# Altium PCB Enigma Rev B.PcbDoc (part 1 of 8) (continued)
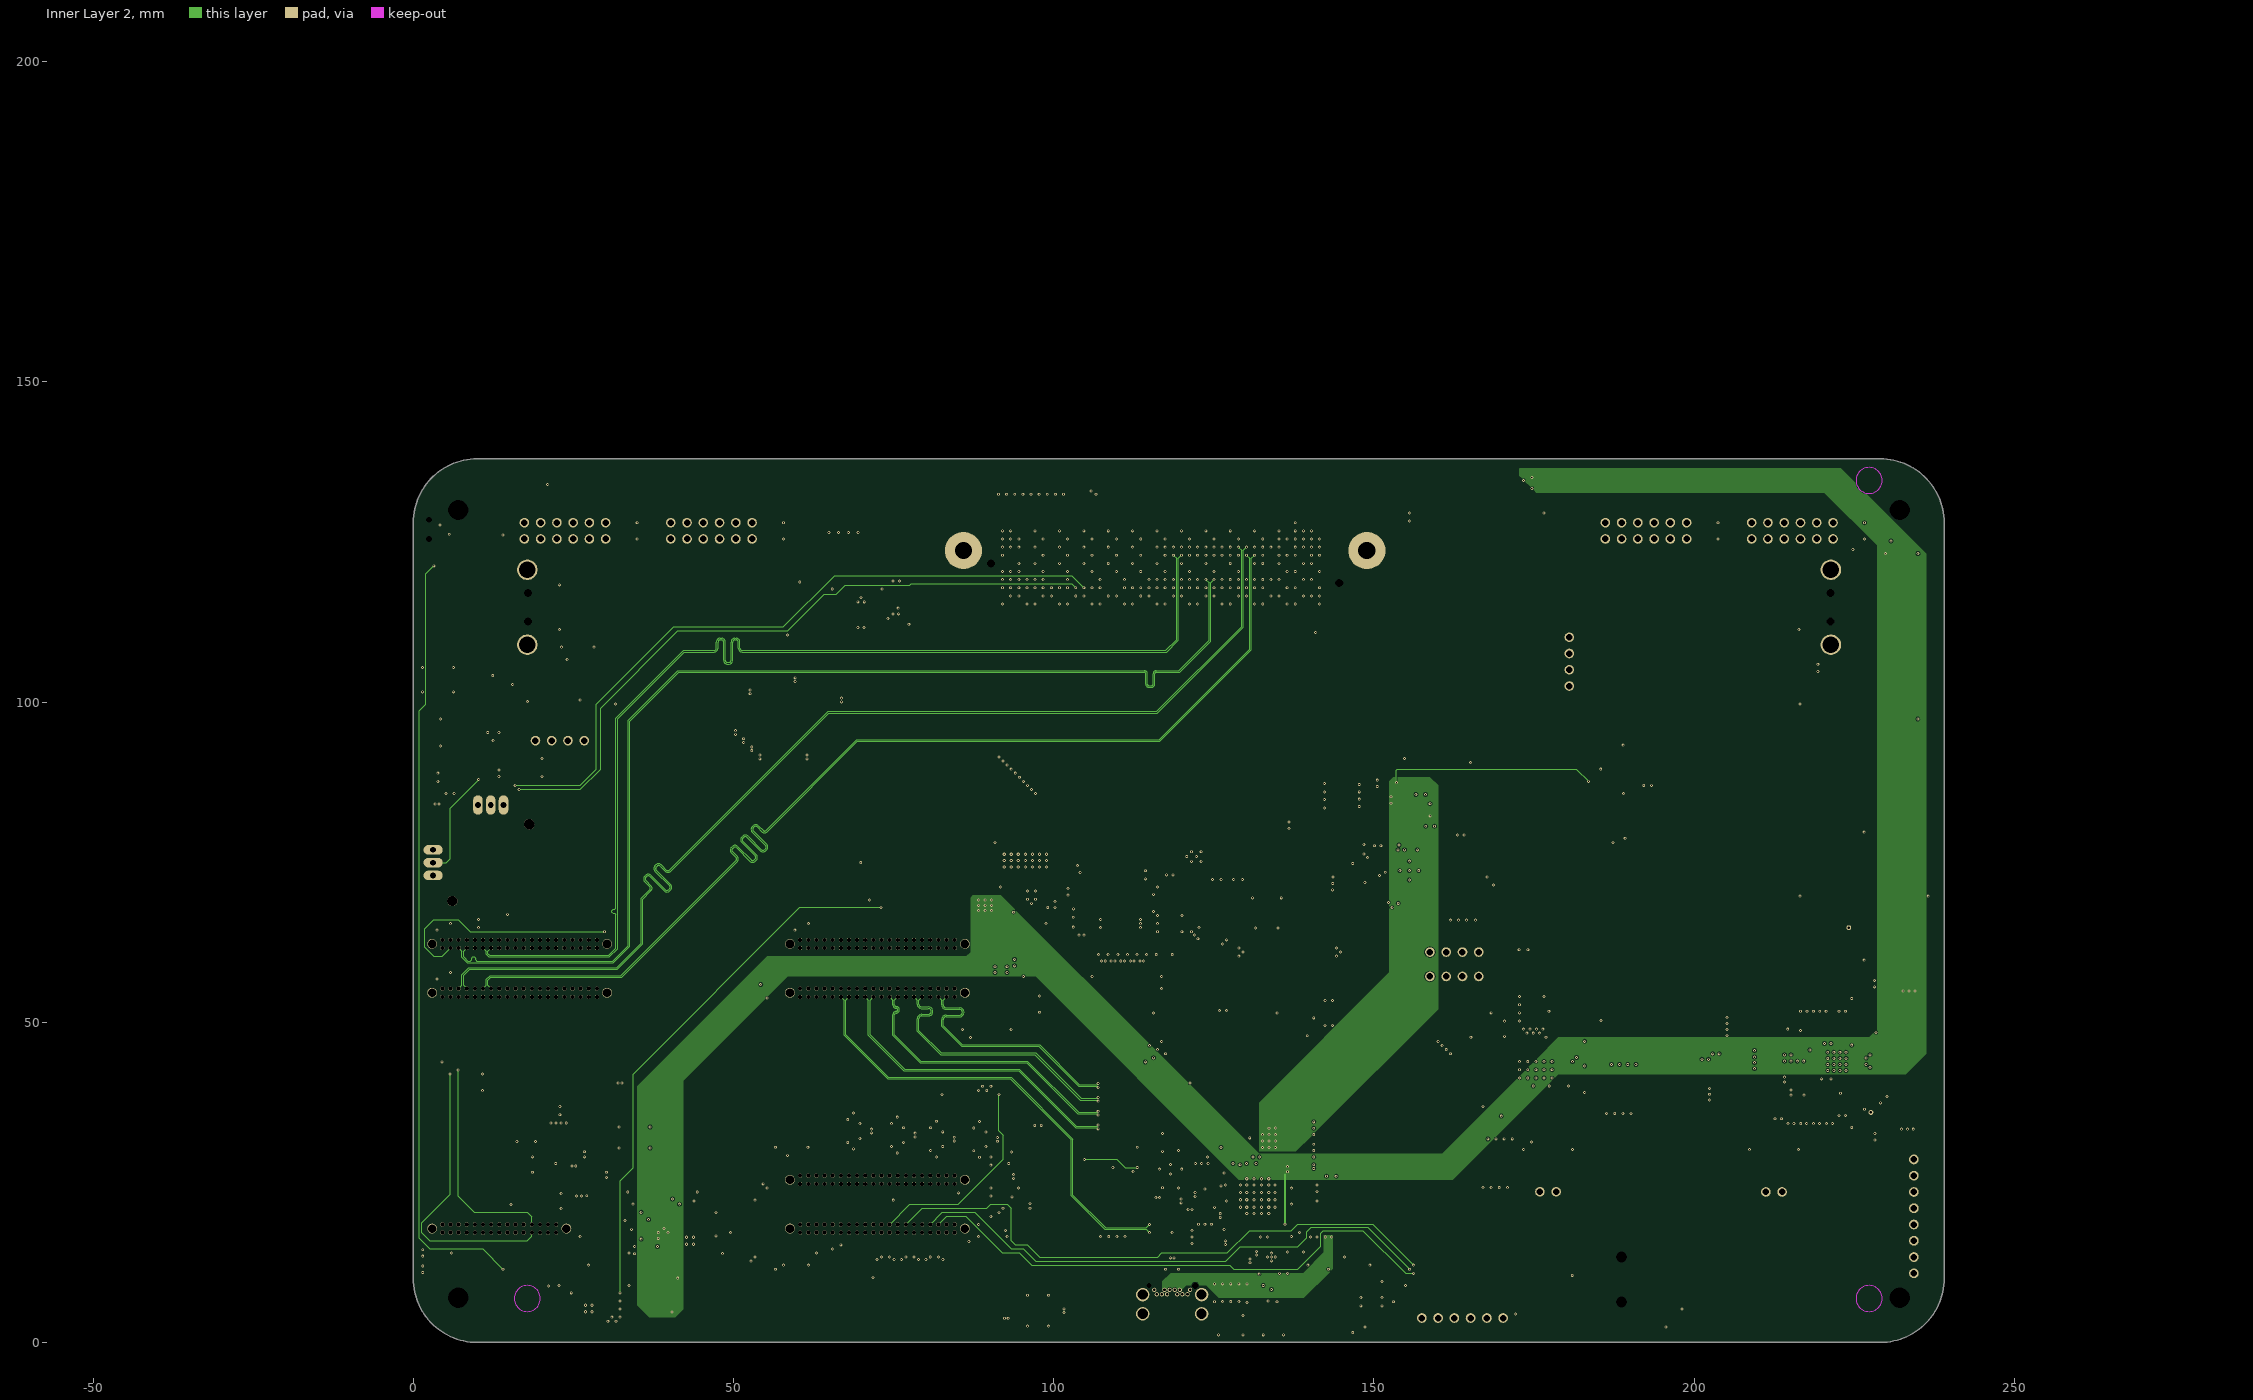
[diagram p4: Inner Layer 2]
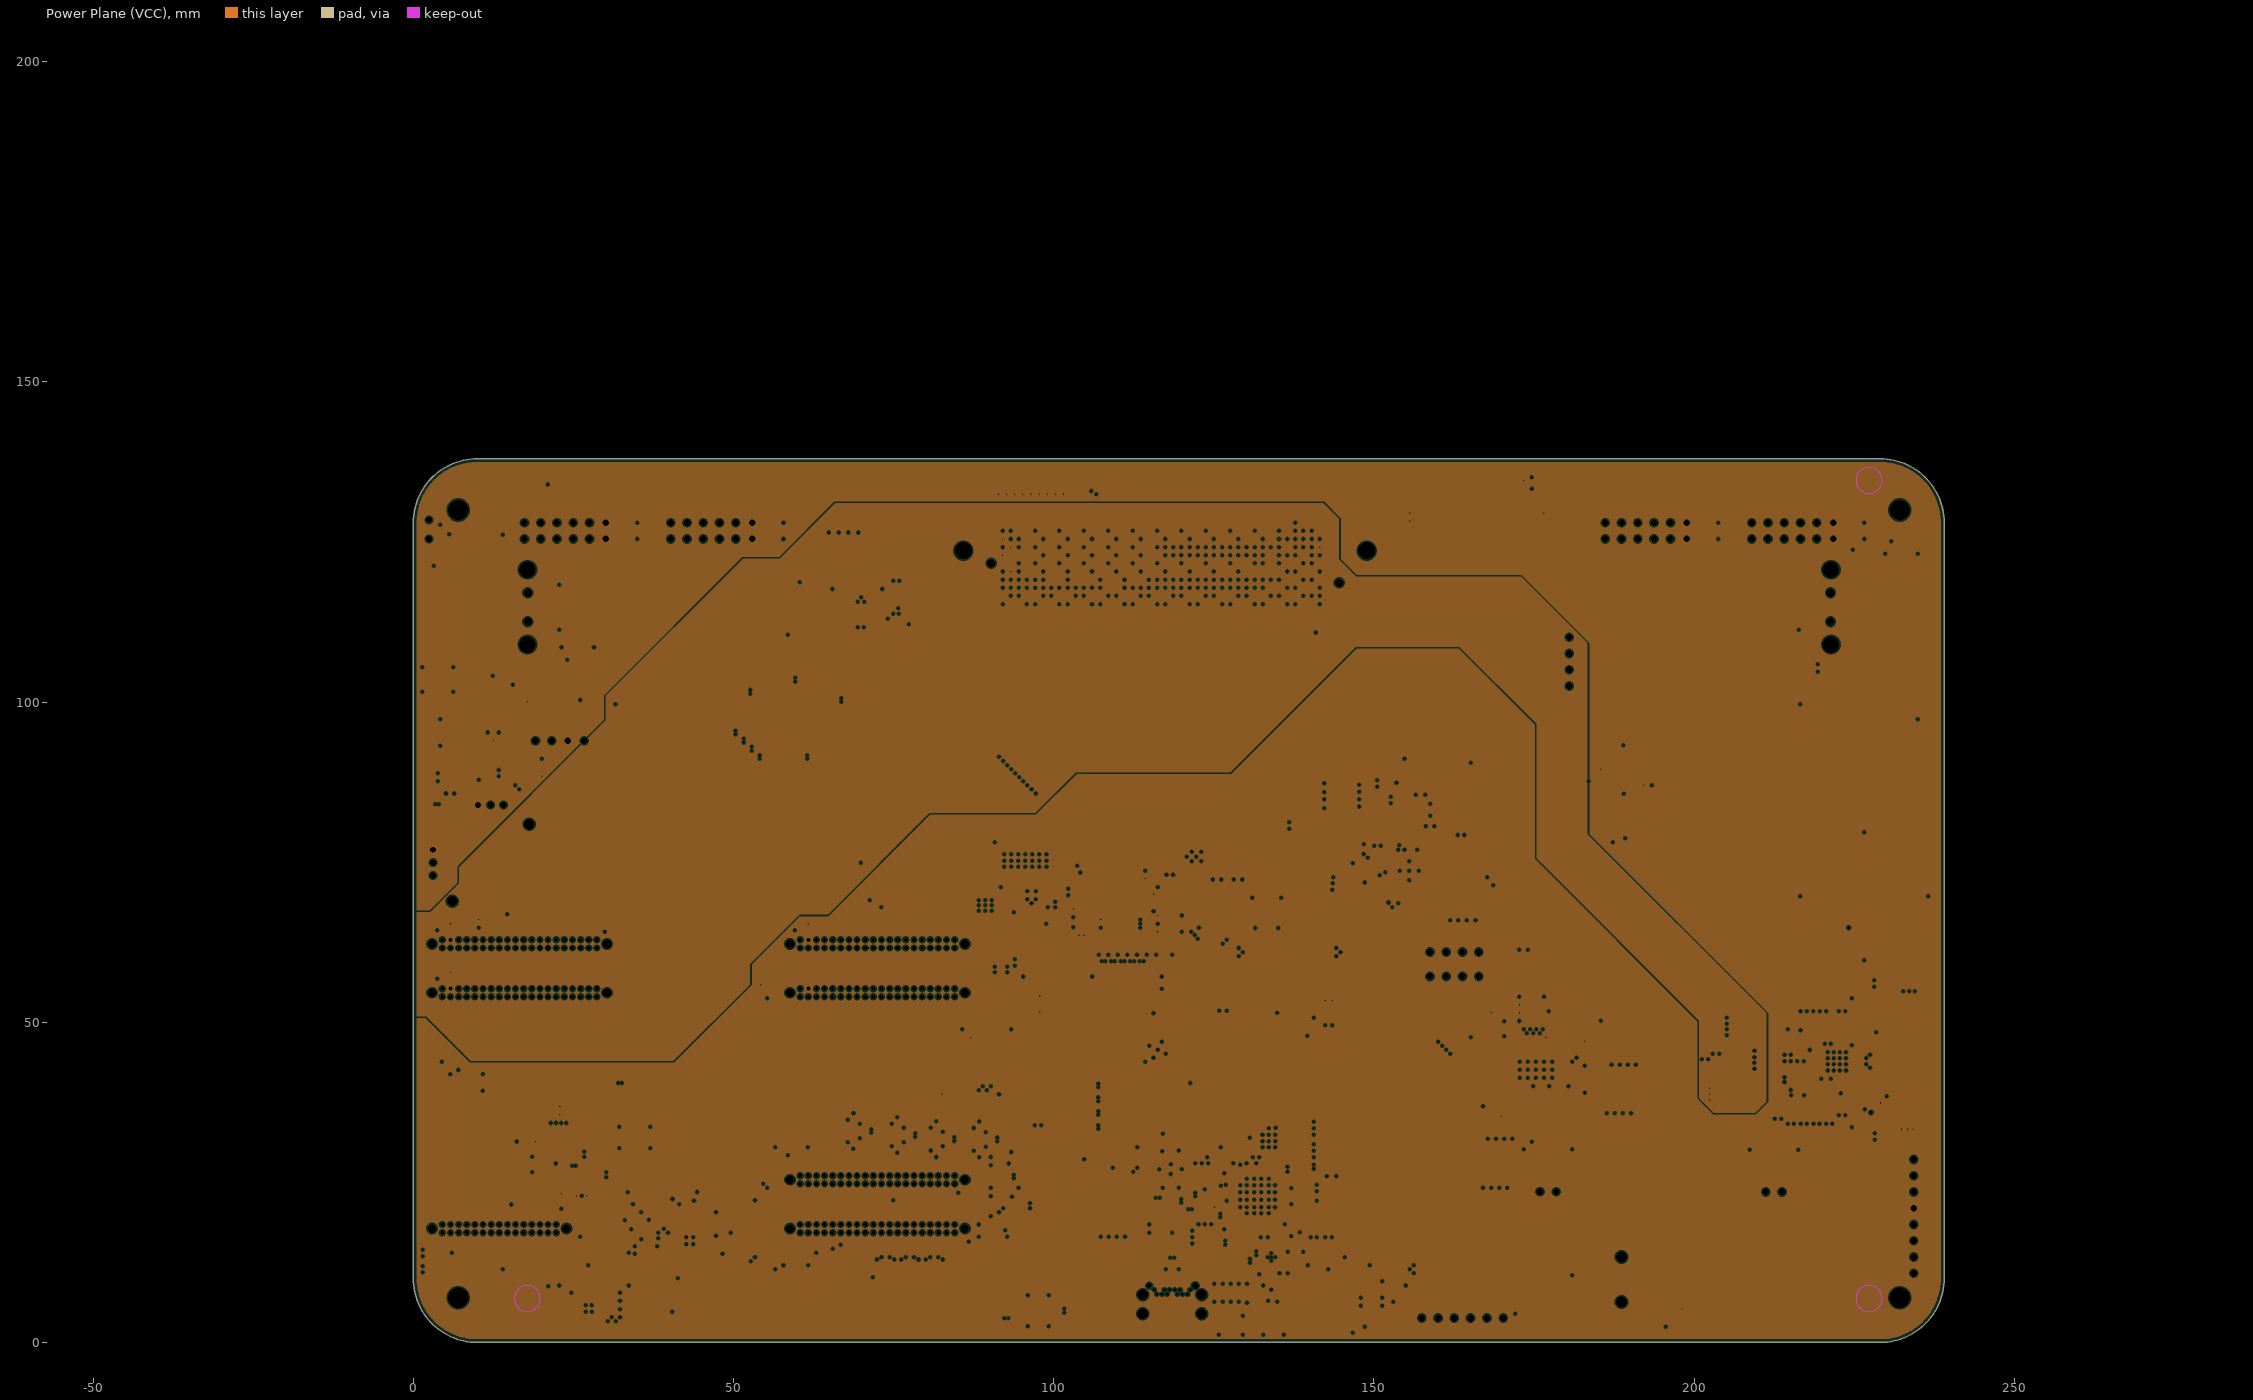
[diagram p5: Power Plane (VCC), clearances drawn from the general rule]
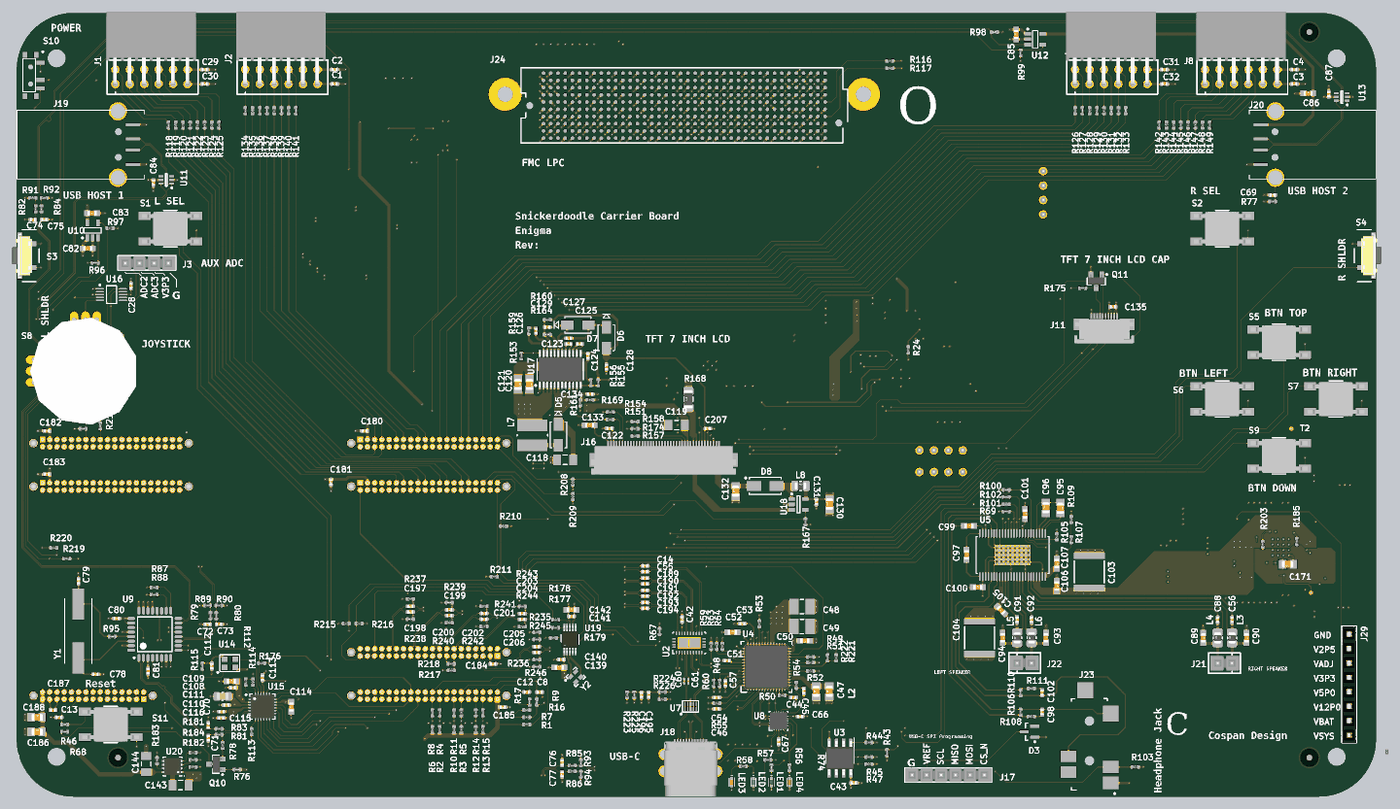
[diagram p13: 3D render of the assembled board from above, using the file's embedded part models]
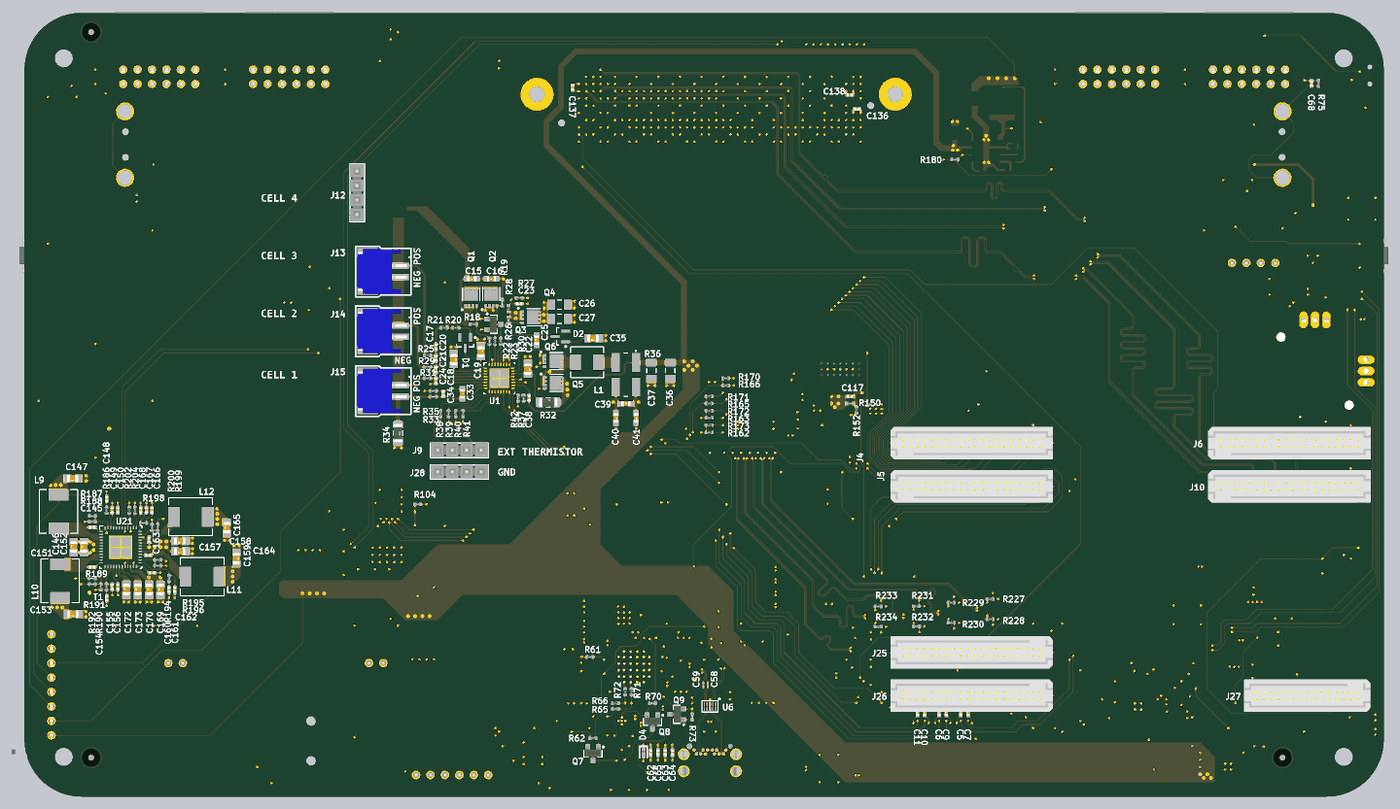
[diagram p14: 3D render of the assembled board from below, using the file's embedded part models]

## Layer stack, top to bottom
Top Solder: solder mask 0.0102, Solder Resist, Dk 3.5
Component Side: signal copper 0.0356
Dielectric 1: core 0.32, FR-4, Dk 4.8
Ground Plane (GND): plane copper 0.036, net GND
Dielectric 3: prepreg 0.127, Dk 4.2
Inner Layer 1: signal copper 0.036
Dielectric 6: core 0.254, Dk 4.2
Inner Layer 2: signal copper 0.036
Dielectric 5: prepreg 0.127, Dk 4.2
Power Plane (VCC): plane copper 0.036, net (Multiple Nets)
Dielectric 4: core 0.254, Dk 4.2
Solder Side: signal copper 0.0356
Bottom Solder: solder mask 0.0102, Solder Resist, Dk 3.5

## Board outline
-0.033,10 -0.033,128 cw(c9.967,128) 9.967,138 229.05,138 cw(c229.05,128) 239.05,128 239.05,10 cw(c229.05,10) 229.05,0 9.967,0 cw(c9.967,10)

## Design rules (kind name [scope] priority, off if disabled: settings)
Clearance Clearance_diff [IsDifferentialPair] p1: gap=0.508 ignorepadtopadclearanceinfootprint=TRUE except(0: Arc-Text Arc-Hole Track-Text Track-Hole SMDPad-Text SMDPad-Hole THPad-Text THPad-Hole Via-Text Via-Hole Fill-Text Fill-Hole Poly-Text Poly-Hole Region-Text Region-Hole Text-Text Text-Hole)
Clearance [All] p2: gap=0.127 ignorepadtopadclearanceinfootprint=TRUE except(0: Arc-Hole Track-Hole SMDPad-Hole THPad-Hole Via-Hole Fill-Hole Poly-Hole Region-Hole Text-Hole)
DiffPairsRouting [All] p1: maxlimit=0.254 minlimit=0.127 mostfreqgap=0.127 toplayer_minwidth=0.127 toplayer_maxwidth=0.381 toplayer_prefwidth=0.127 midlayer1_minwidth=0.127 midlayer1_maxwidth=0.381 midlayer1_prefwidth=0.127 midlayer2_minwidth=0.127 midlayer2_maxwidth=0.381 midlayer2_prefwidth=0.127 bottomlayer_minwidth=0.127 bottomlayer_maxwidth=0.381 bottomlayer_prefwidth=0.127 maxuncoupledlength=12.7
HoleSize [All] p1: absolutevalues=TRUE maxlimit=3.81 minlimit=0.025 maxpercent=80.000 minpercent=20.000
MinimumSolderMaskSliver [All] p1: minsoldermaskwidth=0.048
PlaneClearance [All] p1: clearance=0.254
PlaneConnect [All] p1: planeconnectstyle=Direct reliefexpansion=0.508 reliefentries=4 reliefconductorwidth=0.254 reliefairgap=0.254
PolygonConnect PolygonConnect_10 [All vs IsNamedPolygon('V12P0_L03_P022')] p1: connectstyle=Direct reliefconductorwidth=0.254 reliefentries=4 polygonreliefangle="90 Angle" airgapwidth=0.254
PolygonConnect PolygonConnect_9 [All vs IsNamedPolygon('V3P3_L03_P020')] p2: connectstyle=Direct reliefconductorwidth=0.254 reliefentries=4 polygonreliefangle="90 Angle" airgapwidth=0.254
PolygonConnect PolygonConnect_8 [All vs IsNamedPolygon('USB_3V3_L03_P012')] p3: connectstyle=Direct reliefconductorwidth=0.254 reliefentries=4 polygonreliefangle="90 Angle" airgapwidth=0.254
PolygonConnect PolygonConnect_7 [All vs IsNamedPolygon('V2P5_L03_P018')] p4: connectstyle=Direct reliefconductorwidth=0.254 reliefentries=4 polygonreliefangle="90 Angle" airgapwidth=0.254
PolygonConnect PolygonConnect_6 [All vs IsNamedPolygon('V5P0_L04_P016')] p5: connectstyle=Direct reliefconductorwidth=0.254 reliefentries=4 polygonreliefangle="90 Angle" airgapwidth=0.254
PolygonConnect PolygonConnect_5 [All vs IsNamedPolygon('VSYS_L01_P010')] p6: connectstyle=Direct reliefconductorwidth=0.254 reliefentries=4 polygonreliefangle="90 Angle" airgapwidth=0.254
PolygonConnect PolygonConnect_4 [All vs IsNamedPolygon('VSYS_L06_P006')] p7: connectstyle=Direct reliefconductorwidth=0.254 reliefentries=4 polygonreliefangle="90 Angle" airgapwidth=0.254
PolygonConnect PolygonConnect_3 [All vs IsNamedPolygon('VBAT_L04_P004')] p8: connectstyle=Direct reliefconductorwidth=0.254 reliefentries=4 polygonreliefangle="90 Angle" airgapwidth=0.254
PolygonConnect PolygonConnect_2 [All vs IsNamedPolygon('V1P8_L03_P002')] p9: connectstyle=Direct reliefconductorwidth=0.254 reliefentries=4 polygonreliefangle="90 Angle" airgapwidth=0.254
PolygonConnect PolygonConnect_1 [All vs IsNamedPolygon('VBUS_L04_P000')] p10: connectstyle=Direct reliefconductorwidth=0.254 reliefentries=4 polygonreliefangle="90 Angle" airgapwidth=0.254
PolygonConnect [All] p11: connectstyle=Relief reliefconductorwidth=0.254 reliefentries=4 polygonreliefangle="90 Angle" airgapwidth=0.254
RoutingLayers [All] p1: top layer_v5=FALSE mid layer 1_v5=TRUE mid layer 2_v5=TRUE bottom layer_v5=TRUE
RoutingVias [All] p1: holewidth=0.203 width=0.457 viastyle="Through Hole" minholewidth=0.203 minwidth=0.457 maxholewidth=0.711 maxwidth=1.27
SilkToSilkClearance [All] p1: silktosilkclearance=0.025
SilkToSolderMaskClearance [IsPad] p1: minsilkscreentomaskgap=0 clearancetoexposedcopper=TRUE
SolderMaskExpansion [All] p1: expansion=0.102
Width [All] p1: maxlimit=1.27 minlimit=0.127 preferedwidth=0.127 minimp=50.000000 maximp=50.000000 favimp=50.000000
22 further rules are at their usual default settings.

## Classes and differential pairs
differential pair class FMC_DIFF_PAIRS: CLK0_M2C CLK1_M2C CLK2_BIDIR LA00_CC LA01_CC LA02 LA03 LA04 LA05 LA06 LA07 LA08 LA09 LA10 LA11 LA12 LA13 LA14 LA15 LA16 LA17_CC LA18_CC
differential pair LCD_TX3: +LCD_TX3_P -LCD_TX3_N
differential pair LCD_TX2: +LCD_TX2_P -LCD_TX2_N
differential pair LCD_TX1: +LCD_TX1_P -LCD_TX1_N
differential pair LCD_TX0: +LCD_TX0_P -LCD_TX0_N
differential pair LCD_CLK: +LCD_CLK_P -LCD_CLK_N
differential pair C_USB_B: +C_USB_B_P -C_USB_B_N
differential pair C_USB_T: +C_USB_T_P -C_USB_T_N
differential pair CLK0_M2C: +CLK0_M2C_P -CLK0_M2C_N
differential pair CLK1_M2C: +CLK1_M2C_P -CLK1_M2C_N
differential pair CLK2_BIDIR: +CLK2_BIDIR_P -CLK2_BIDIR_N
differential pair CLK3_BIDIR: +CLK3_BIDIR_P -CLK3_BIDIR_N
differential pair DP1_TX0: +DP1_TX0_P -DP1_TX0_N
differential pair DP1_TX1: +DP1_TX1_P -DP1_TX1_N
differential pair DP1_TX2: +DP1_TX2_P -DP1_TX2_N
differential pair DP1_TX3: +DP1_TX3_P -DP1_TX3_N
differential pair GBTCLK0_M2C: +GBTCLK0_M2C_P -GBTCLK0_M2C_N
differential pair GBTCLK1_M2C: +GBTCLK1_M2C_P -GBTCLK1_M2C_N
differential pair HS1_RX: +HS1_RX_P -HS1_RX_N
differential pair HS1_TX: +HS1_TX_P -HS1_TX_N
differential pair HS1_USB_TX: +HS1_USB_TX_P -HS1_USB_TX_N
differential pair HS2_RX: +HS2_RX_P -HS2_RX_N
differential pair HS2_TX: +HS2_TX_P -HS2_TX_N
differential pair HS2_USB_TX: +HS2_USB_TX_P -HS2_USB_TX_N
differential pair LA00_CC: +LA00_CC_P -LA00_CC_N
differential pair LA01_CC: +LA01_CC_P -LA01_CC_N
differential pair LA02: +LA02_P -LA02_N
differential pair LA03: +LA03_P -LA03_N
differential pair LA04: +LA04_P -LA04_N
differential pair LA05: +LA05_P -LA05_N
differential pair LA06: +LA06_P -LA06_N
differential pair LA07: +LA07_P -LA07_N
differential pair LA08: +LA08_P -LA08_N
differential pair LA09: +LA09_P -LA09_N
differential pair LA10: +LA10_P -LA10_N
differential pair LA11: +LA11_P -LA11_N
differential pair LA12: +LA12_P -LA12_N
differential pair LA13: +LA13_P -LA13_N
differential pair LA14: +LA14_P -LA14_N
differential pair LA15: +LA15_P -LA15_N
differential pair LA16: +LA16_P -LA16_N
differential pair LA17_CC: +LA17_CC_P -LA17_CC_N
differential pair LA18_CC: +LA18_CC_P -LA18_CC_N
differential pair LA19: +LA19_P -LA19_N
differential pair LA20: +LA20_P -LA20_N
differential pair LA21: +LA21_P -LA21_N
differential pair LA22: +LA22_P -LA22_N
differential pair LA23: +LA23_P -LA23_N
differential pair LA24: +LA24_P -LA24_N
differential pair LA25: +LA25_P -LA25_N
differential pair LA26: +LA26_P -LA26_N
differential pair LA27: +LA27_P -LA27_N
differential pair LA28: +LA28_P -LA28_N
differential pair LA29: +LA29_P -LA29_N
differential pair LA30: +LA30_P -LA30_N
differential pair LA31: +LA31_P -LA31_N
differential pair LA32: +LA32_P -LA32_N
differential pair LA33: +LA33_P -LA33_N
differential pair SBU: +SBU_P -SBU_N
differential pair USB_2P0: +USB_2P0_P -USB_2P0_N
differential pair LCD_X_CLK: +LCD_X_CLK_P -LCD_X_CLK_N
differential pair LCD_X_TX1: +LCD_X_TX1_P -LCD_X_TX1_N
differential pair LCD_X_TX2: +LCD_X_TX2_P -LCD_X_TX2_N
differential pair LCD_X_TX3: +LCD_X_TX3_P -LCD_X_TX3_N
differential pair X_DP1_TX0: +X_DP1_TX0_P -X_DP1_TX0_N
differential pair X_DP1_TX1: +X_DP1_TX1_P -X_DP1_TX1_N
differential pair X_DP1_TX2: +X_DP1_TX2_P -X_DP1_TX2_N
differential pair X_DP1_TX3: +X_DP1_TX3_P -X_DP1_TX3_N
differential pair AUX: +AUX_P -AUX_N
differential pair LCD_X_TX0: +LCD_X_TX0_P -LCD_X_TX0_N
differential pair USB_EXT_S1: +USB_EXT_S1_P -USB_EXT_S1_N
differential pair USB_EXT_S2: +USB_EXT_S2_P -USB_EXT_S2_N
differential pair USB_HOST: +USB_HOST_P -USB_HOST_N
differential pair USB_HST: +USB_HST_P -USB_HST_N
differential pair USB_S1: +USB_S1_P -USB_S1_N
differential pair USB_S2: +USB_S2_P -USB_S2_N
differential pair USB_S3: +USB_S3_P -USB_S3_N

## Components (designator, comment, footprint, x,y, rotation, side; value= is the part's Value field where it differs from the comment)
C1 "0.1uF" C_0402 55.872,125.476 r180 top
C2 "0.1uF" C_0402 55.872,128.016 r180 top
C3 "0.1uF" C_0402 224.689,125.476 r180 top
C4 "0.1uF" C_0402 224.689,128.016 r180 top
C5 "0.1uF" C_0402 74.361,14.74 r90 bottom
C6 "0.1uF" C_0402 78.171,14.74 r90 bottom
C7 "0.1uF" C_0402 73.091,14.74 r90 bottom
C8 "0.1uF" C_0402 91.94,18.415 r180 top
C9 "0.1uF" C_0402 76.901,14.74 r90 bottom
C10 "0.1uF" C_0402 80.711,14.74 r90 bottom
C11 "0.1uF" C_0402 81.981,14.74 r90 bottom
C12 "0.1uF" C_0402 89.67,18.415 r0 top
C13 "0.1uF" C_0402 7.39,13.97 r0 top
C14 "0.1uF" C_0402 110.49,40.64 r0 top
C15 "C_0603_0.1µF" C_ERA-0603 160.371,91.179 r0 bottom
C16 "C_0603_0.1µF" C_ERA-0603 156.921,91.179 r0 bottom
C17 "0.1uF" C_0402 166.676,79.179 r270 bottom
C18 "C_0805_2.2uF_25V" C_ERA-0805 163.533,77.014 r270 bottom
C19 "1.0uF" C_ERA-0805 158.771,78.383 r270 bottom
C20 "0.1uF" C_0402 166.676,77.179 r270 bottom
C21 "0.1uF" C_0402 166.676,75.179 r270 bottom
C22 "1.0uF" C_ERA-0805 150.521,75.329 r270 bottom
C23 "C_0402_2.2uF_35V" C_ERA-0402 152.021,86.81 r0 bottom
C24 "0.1uF" C_0402 166.676,73.179 r270 bottom
C25 "C_0603_0.1µF" C_ERA-0603 148.971,80.391 r90 bottom
C26 "10µF" CAP-1206 144.953,86.629 r0 bottom
C27 "10µF" CAP-1206 144.953,84.129 r0 bottom
C28 "0.1uF" C_0402 20.066,89.924 r270 top
C29 "0.1uF" C_0402 33.012,128.016 r180 top
C30 "0.1uF" C_0402 33.012,125.476 r180 top
C31 "0.1uF" C_0402 201.829,128.016 r180 top
C32 "0.1uF" C_0402 201.829,125.476 r180 top
C33 "C_0603_0.1µF" C_ERA-0603 162.021,70.929 r270 bottom
C34 "100pF" C_0402 165.406,70.929 r270 bottom
C35 "C_0805_1.5uF_25V" C_ERA-0805 138.975,80.71 r0 bottom
C36 "10µF" CAP-1206 125.471,75.004 r270 bottom
C37 "10µF" CAP-1206 128.771,75.004 r270 bottom
C38 "22pF" C_ERA-0402 150.271,70.179 r270 bottom
C39 "C_0603_0.1µF" C_ERA-0603 133.271,69.179 r180 bottom
C40 "C_0603_0.1µF" C_ERA-0603 135.021,66.679 r270 bottom
C41 "C_0603_0.1µF" C_ERA-0603 131.471,66.679 r270 bottom
C42 "0.1uF" C_0402 116.987,31.234 r270 top
C43 "0.1uF" C_0402 147.185,2.413 r180 top
C44 "220pF" C_0402 136.6,17.45 r180 top
C45 "220pF" C_0402 138.4,18.6 r90 top
C46 "C_0402_0.22UF_50V" C_0402 123.1,15.45 r0 top
C47 "1.0uF" C_ERA-0805 140.6,18.5 r90 top
C48 "22µF" C_14-1210 138.1,33.45 r180 top
C49 "22µF" C_14-1210 138.1,29.95 r180 top
C50 "4.7µF" C_ERA-0603 138.6,27.45 r180 top
C51 "1.0uF" C_ERA-0402 124.9,23.95 r0 top
C52 "C_0603_10µF" C_ERA-0603 125.85,28.95 r0 top
C53 "2.2uF" C_0402 127.6,30.45 r0 top
C54 "2.2uF" C_0402 123.1,17.45 r0 top
C55 "0.1uF" C_0402 110.49,39.624 r0 top
C56 "C_0402_0.22UF_50V" C_0402 213.739,31.115 r90 top
C57 "1.0uF" C_ERA-0402 124.6,19.95 r90 top
C58 "0.1UF" CAPC0201 118.872,19.685 r90 bottom
C59 "0.1UF" CAPC0201 119.634,19.685 r90 bottom
C60 "0.1UF" CAPC0201 117.348,20.32 r90 top
C61 "0.1UF" CAPC0201 118.11,20.32 r90 top
C62 "10000pF" C_0402 128.905,7.755 r90 bottom
C63 "10000pF" C_0402 126.365,7.755 r90 bottom
C64 "10000pF" C_0402 125.095,7.747 r90 bottom
C65 "10000pF" C_0402 127.635,7.755 r90 bottom
C66 "1.0uF" C_ERA-0402 137.757,14.135 r180 top
C67 "0.1uF" C_0402 133.985,9.66 r90 top
C68 "10000pF" C_0402 12.7,125.595 r270 bottom
C69 "10000pF" C_0402 220.861,105.918 r0 top
C70 "22pF" C_ERA-0402 33.655,12.565 r270 top
C71 "22pF" C_ERA-0402 33.655,10.295 r90 top
C72 "22pF" C_ERA-0402 33.536,30.353 r0 top
C73 "22pF" C_ERA-0402 35.552,30.353 r180 top
C74 "22pF" C_ERA-0402 2.802,101.6 r0 top
C75 "22pF" C_ERA-0402 4.818,101.6 r180 top
C76 "22pF" C_ERA-0402 95.903,5.961 r270 top
C77 "22pF" C_ERA-0402 95.903,3.945 r90 top
C78 "22pF" C_ERA-0402 13.835,21.539 r180 top
C79 "22pF" C_ERA-0402 10.795,37.914 r270 top
C80 "1000pF" C_0402 17.526,31.375 r0 top
C81 "0.1uF" C_0402 23.057,22.106 r90 top
C82 "1.0uF" C_ERA-0603 12.446,96.52 r180 top
C83 "1.0uF" C_ERA-0603 13.235,102.743 r180 top
C84 "0.1uF" C_0402 24.003,108.085 r90 top
C85 "1.0uF" C_ERA-0603 175.768,134.2 r90 top
C86 "1.0uF" C_ERA-0603 227.115,123.825 r0 top
C87 "0.1uF" C_0402 230.759,123.69 r270 top
C88 "C_0402_0.22UF_50V" C_0402 211.199,31.115 r90 top
C89 "C_0603_0.68uF_25V" C_ERA-0603 208.661,27.94 r270 top
C90 "C_0603_0.68uF_25V" C_ERA-0603 216.281,27.94 r270 top
C91 "C_0402_0.22UF_50V" C_0402 175.921,31.15 r90 top
C92 "C_0402_0.22UF_50V" C_0402 178.461,31.15 r90 top
C93 "C_0603_0.68uF_25V" C_ERA-0603 181.003,27.975 r270 top
C94 "C_0603_0.68uF_25V" C_ERA-0603 173.383,27.975 r270 top
C95 "1.0uF" C_ERA-0805 183.543,50.835 r270 top
C96 "1.0uF" C_ERA-0805 181.003,50.835 r90 top
C97 "1.0uF" C_ERA-0603 167.033,42.58 r270 top
C98 "220pF" C_0402 180.332,14.873 r90 top
C99 "1.0uF" C_ERA-0603 167.453,47.66 r0 top
C100 "1.0uF" C_ERA-0603 169.033,36.865 r0 top
C101 "1.0uF" C_ERA-0603 177.32,49.78 r270 top
C102 "220pF" C_0402 180.34,18.28 r270 top
C103 "10µF" C_ERA-2220 188.623,39.588 r270 top
C104 "10µF" C_ERA-2220 169.319,27.975 r90 top
C105 "C_0603_0.1µF" C_ERA-0603 173.095,32.835 r135 top
C106 "C_0603_0.1µF" C_ERA-0603 182.908,37.08 r270 top
C107 "1.0uF" C_ERA-0603 182.908,41.017 r270 top
C108 "0.1uF" C_0402 37.981,19.177 r0 top
C109 "4.7µF" C_ERA-0603 37.719,20.32 r0 top
C110 "0.1uF" C_0402 36.83,16.129 r0 top
C111 "10UF" C_0805 36.195,17.653 r0 top
C112 "0.1uF" C_0402 34.282,22.987 r90 top
C113 "0.1uF" C_0402 43.18,20.955 r270 top
C114 "4.7µF" C_ERA-0603 48.26,15.787 r90 top
C115 "0.1uF" C_0402 35.941,13.843 r0 top
C116 "C_0402_2.2uF_35V" C_ERA-0402 35.98,14.986 r0 top
C117 "6.8pF" C_ERA-0402 93.845,70.485 r0 bottom
C118 "10µF" CAP-1206 96.421,59.309 r0 top
C119 "10µF" CAP-1206 116.05,65.405 r0 top
C120 "10µF" C_ERA-0805 90.17,72.644 r270 top
C121 "10µF" C_ERA-0805 88.138,72.644 r270 top
C122 "0.1uF" C_0402 104.225,64.845 r0 top
C123 "C_0402_0.22UF_50V" C_ERA-0402 97.035,79.73 r180 top
C124 "C_0402_0.22UF_50V" C_ERA-0402 100.435,77.605 r270 top
C125 "C_0402_0.22UF_50V" C_ERA-0402 98.985,79.73 r180 top
C126 "1000pF" C_ERA-0402 91.335,82.005 r270 top
C127 "C_0402_0.22UF_50V" C_ERA-0402 97.035,80.705 r180 top
C128 "1.0uF" C_ERA-0402 103.685,75.655 r90 top
C129 "C_0402_0.22UF_50V" C_ERA-0402 93.285,82.655 r180 top
C130 "10uF" C_ERA-0805 142.945,51.455 r90 top
C131 "0.1uF" C_0402 140.605,51.905 r90 top
C132 "C_0805_2.2uF_25V" C_ERA-0805 126.435,53.755 r90 top
C133 "C_0603_1µF_16V" C_ERA-0603 100.75,65.405 r0 top
C134 "1000pF" C_ERA-0402 100.83,70.866 r180 top
C135 "0.1uF" C_0402 192.786,86.233 r180 top
C136 "1.0uF" C_ERA-0402 92.631,121.031 r0 bottom
C137 "1.0uF" C_ERA-0402 142.669,124.841 r270 bottom
C138 "1.0uF" C_ERA-0402 93.901,123.571 r180 bottom
C139 "4.7µF" C_ERA-0603 95.416,22.733 r0 top
C140 "0.1uF" C_0402 95.766,24.13 r0 top
C141 "0.1uF" C_0402 97.536,31.75 r0 top
C142 "4.7µF" C_ERA-0603 97.536,32.893 r0 top
C143 "10µF" CAP-1206 28.798,2.032 r0 top
C144 "10µF" CAP-1206 22.733,5.743 r270 top
C145 "0.1uF" C_0402 227.12,47.419 r180 bottom
C146 "C_0805_22µF_35V" C_ERA-0805 230.42,43.919 r90 bottom
C147 "10µF" C_ERA-0805 230.505,56.007 r0 bottom
C148 "C_0402_3.3nF_50V" C_ERA-0402 224.62,52.419 r270 bottom
C149 "C_0402_36pF" C_0402 223.62,50.419 r270 bottom
C150 "C_0402_68nF" C_0402 222.62,50.419 r270 bottom
C151 "0.1uF" C_0402 227.12,40.419 r180 bottom